# Altium PCB FPGA_SHIELD_MARK1_RA1_2.PcbDoc (part 1 of 4) (continued)
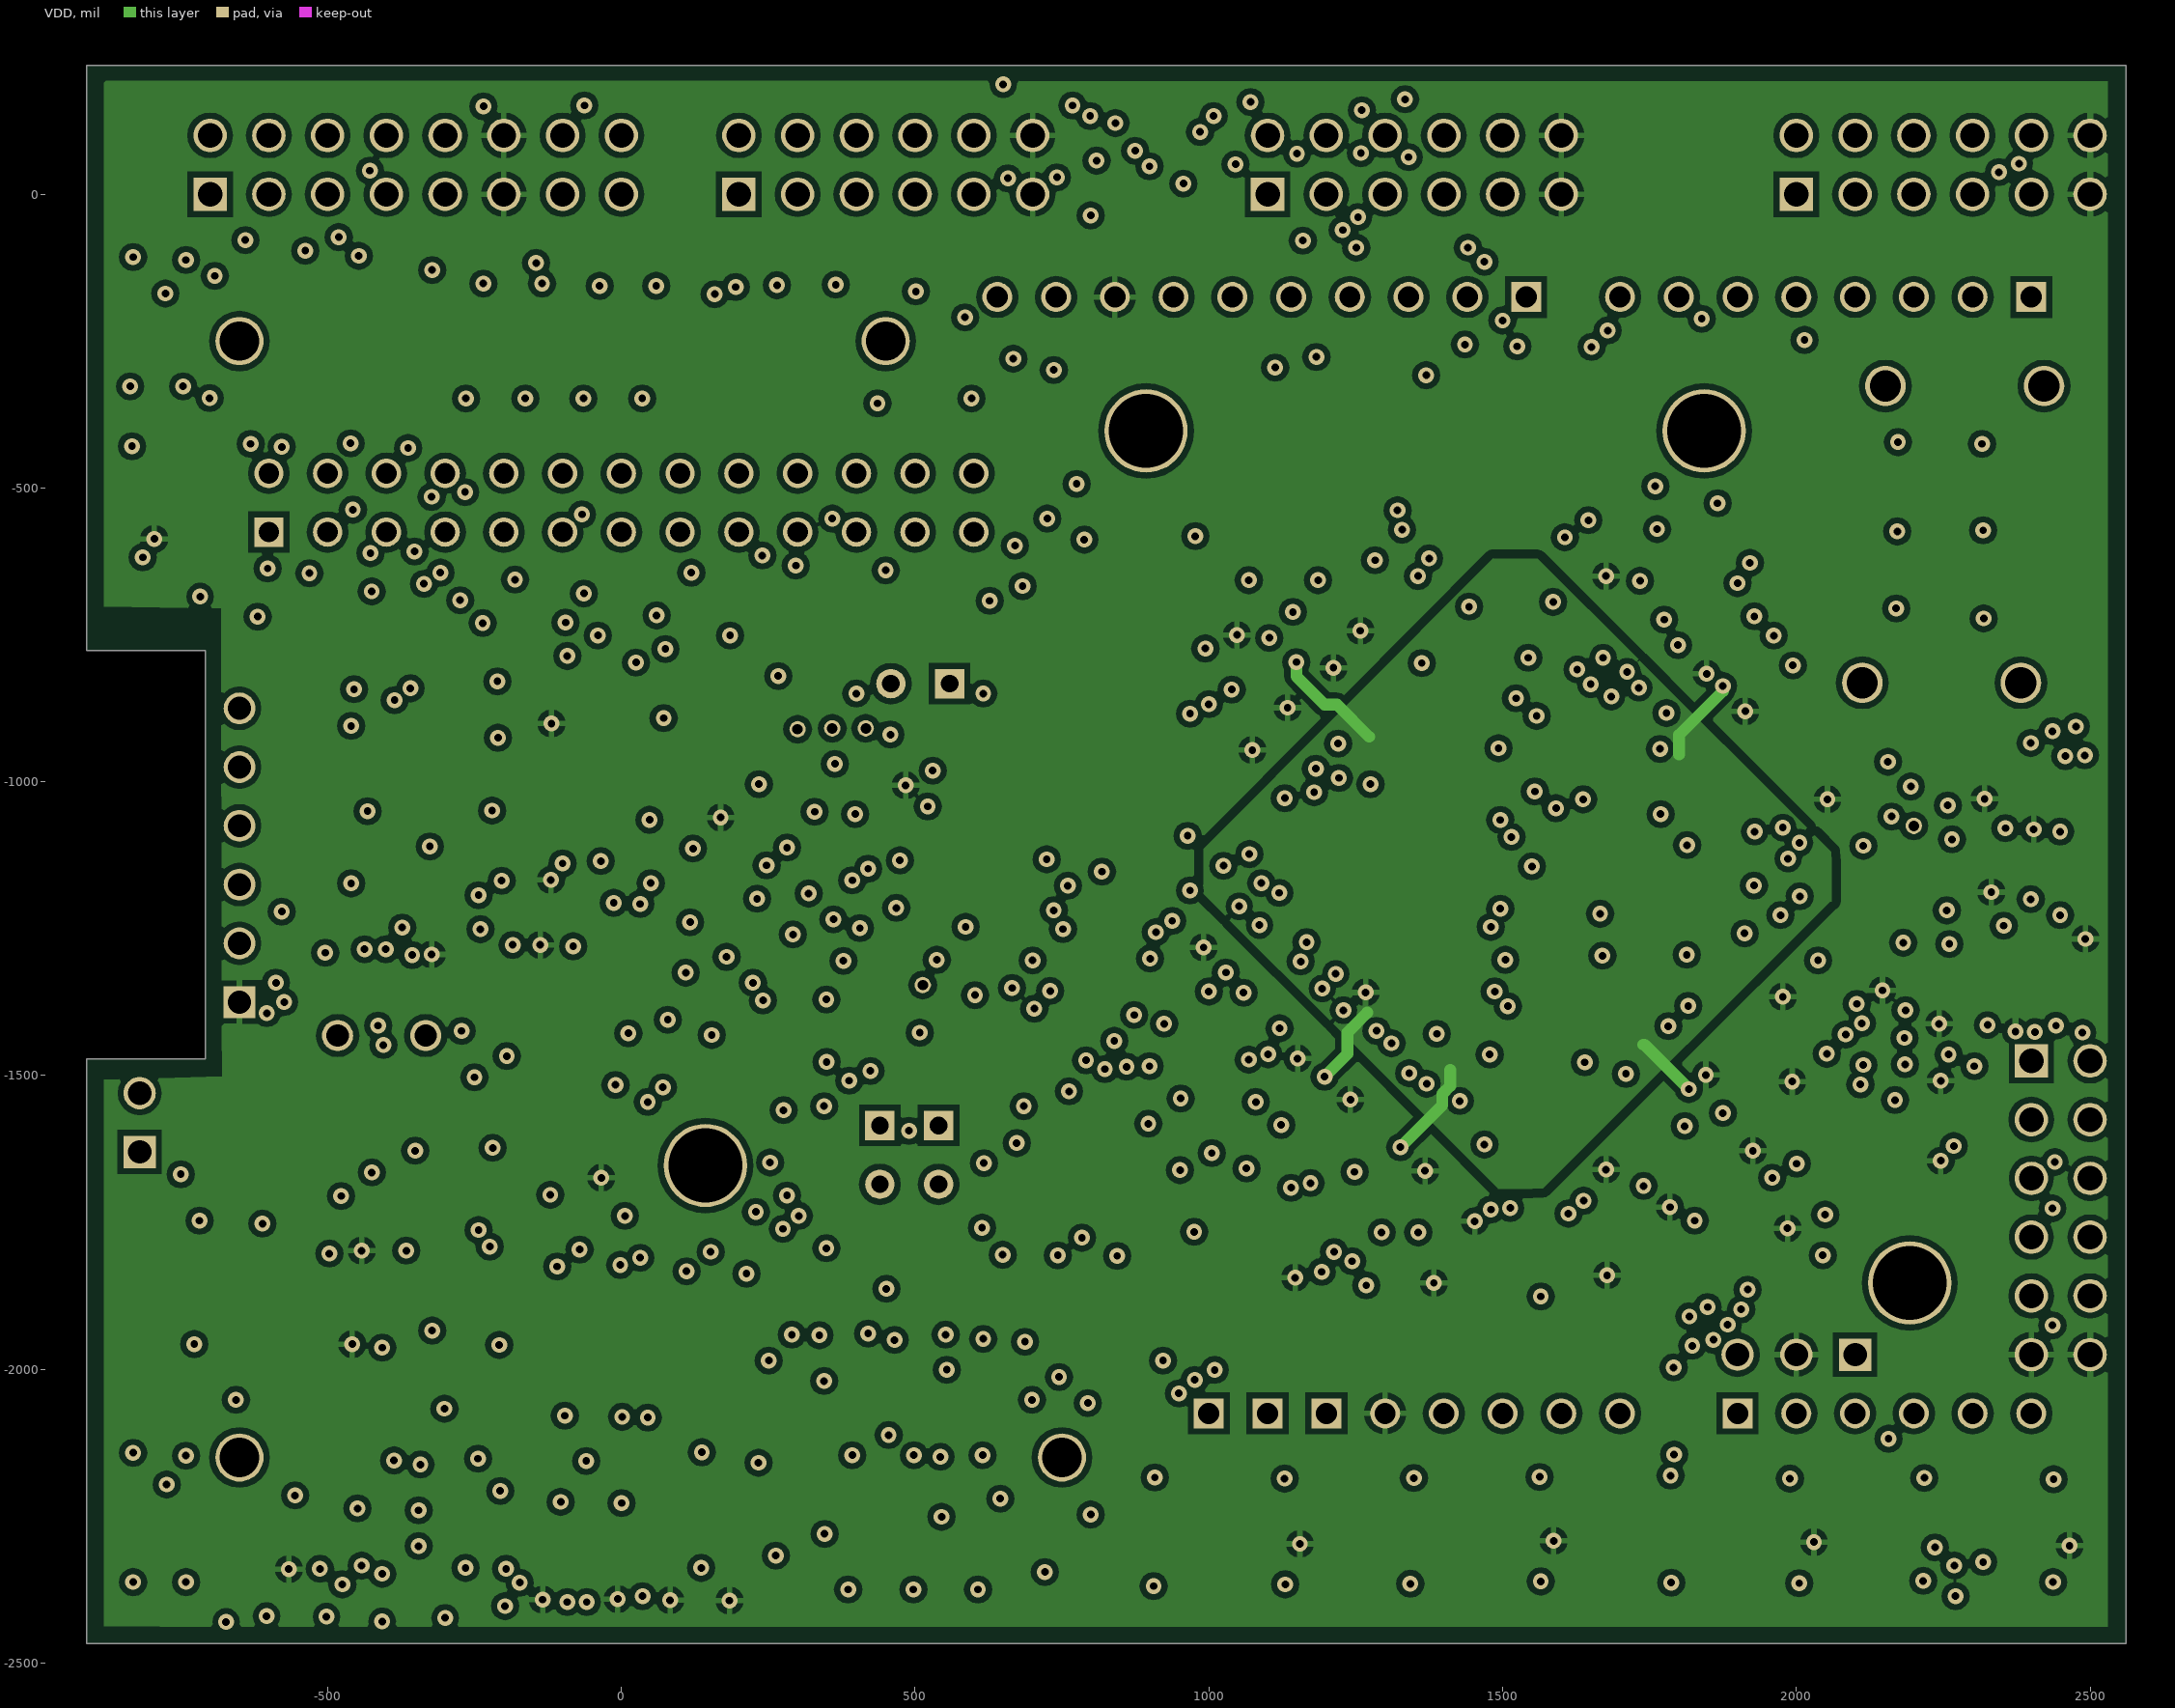
[diagram p3: VDD]
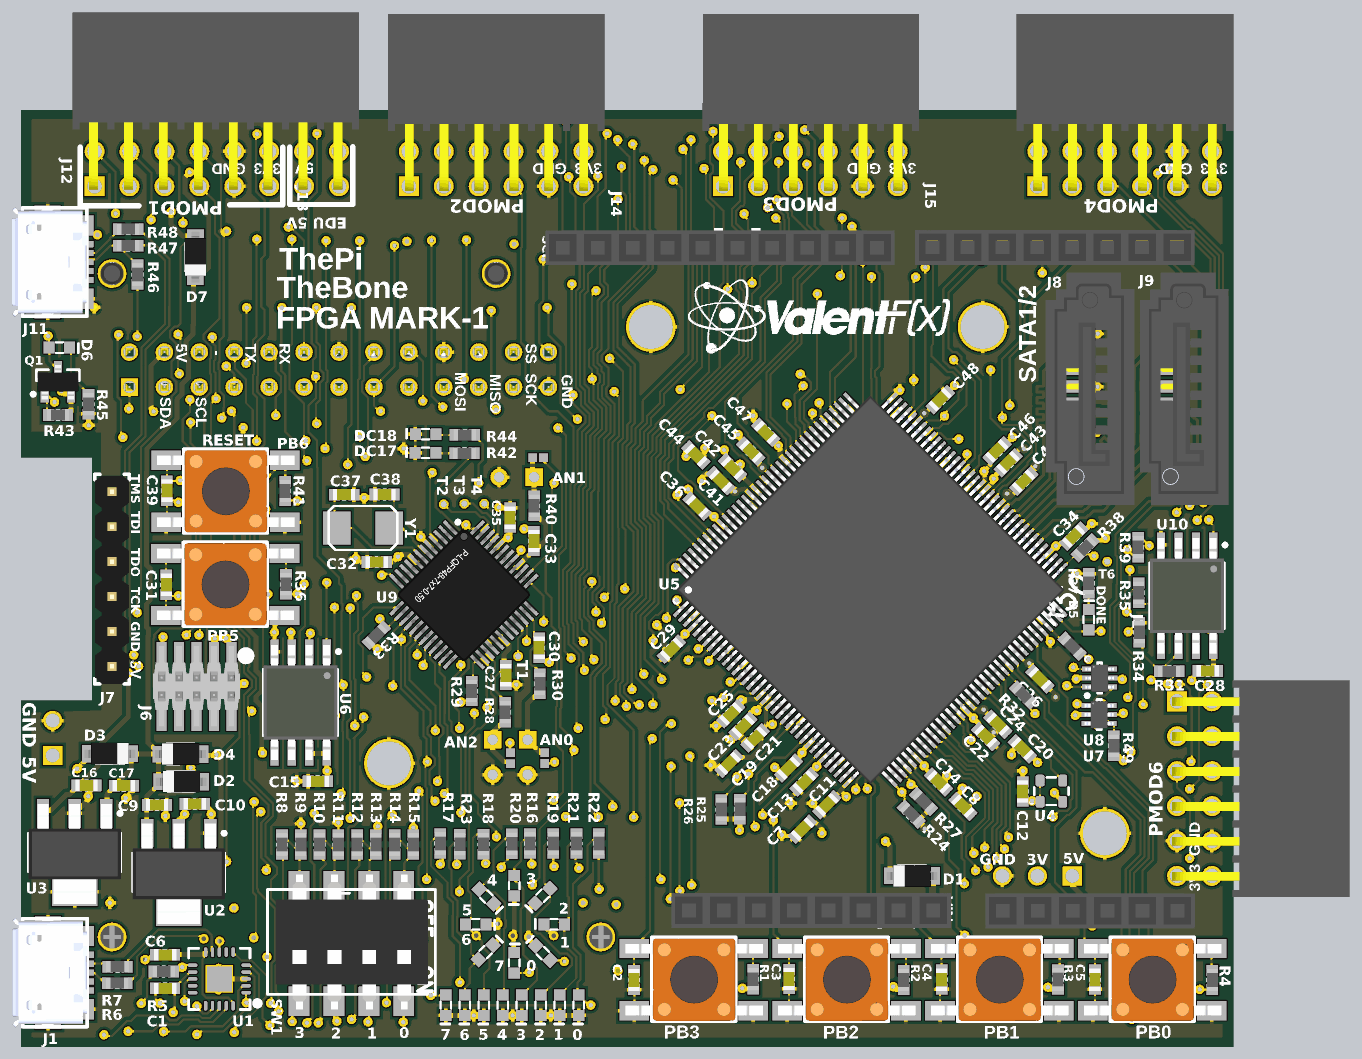
[diagram p7: 3D render of the assembled board from above, using the file's embedded part models]

## Layer stack, top to bottom
Top Layer: signal copper 1.4
Dielectric: core 12.6, FR-4, Dk 4.8
GND: signal copper 1.4
Dielectric: prepreg 12.6, FR-4, Dk 4.8
VDD: signal copper 1.4
Dielectric: core 12.6, FR-4, Dk 4.8
Bottom Layer: signal copper 1.4

## Board outline
-910,-2467 -910,-1472 -708,-1472 -708,-777 -910,-777 -910,219 2561,219 2561,-2467

## Design rules (kind name [scope] priority, off if disabled: settings)
Clearance POLY_TO_POLY [inpoly vs inpoly] p1: gap=15
Clearance Poly_TO_ALL [InPoly] p2: gap=10
Clearance [All] p3: gap=6
ComponentClearance LEDS+Mounts [(HasFootprint('LTM-450')) vs (HasFootprint('LED T1-3/4 GREEN - 0.45" STANDOFF') OR HasFootprint('LED T1-3/4 RED -  0.45" STANDOFF'))] p1: gap=0 collisioncheckmode=3 verticalgap=0 showdistances=FALSE
ComponentClearance ComponentClearance_1 [OnLayer('Mechanical 1')] p2: gap=0 collisioncheckmode=3 verticalgap=0 showdistances=FALSE
ComponentClearance [All] p3: gap=10 collisioncheckmode=3 verticalgap=10 showdistances=FALSE
DiffPairsRouting DiffPairsRouting_1 [inDifferentialPair(HDMI_D1) or inDifferentialPair(HDMI_D2) or inDifferentialPair(HDMI_D3) or inDifferentialPair(HDMI_D4)] p1: maxlimit=10 minlimit=10 mostfreqgap=10 maxuncoupledlength=500
DiffPairsRouting [All] p2: maxlimit=10 minlimit=10 mostfreqgap=10 maxuncoupledlength=500
Height [All] p1: minheight=0 maxheight=1500 prefheight=500
HoleSize [All] p1: absolutevalues=TRUE maxlimit=250 minlimit=1 maxpercent=80.000 minpercent=20.000
HoleToHoleClearance [All] p1: gap=2 allowstackedmicrovias=TRUE
MinimumSolderMaskSliver [All] p1: minsoldermaskwidth=0
PlaneClearance [All] p1: clearance=10
PlaneConnect [All] p1: planeconnectstyle=Direct reliefexpansion=20 reliefentries=4 reliefconductorwidth=10 reliefairgap=10
PolygonConnect [All] p1: connectstyle=Relief reliefconductorwidth=10 reliefentries=4 polygonreliefangle="90 Angle" airgapwidth=10
RoutingVias [All] p1: holewidth=13 width=27 viastyle="Through Hole" minholewidth=13 minwidth=27 maxholewidth=25 maxwidth=40
SilkToSilkClearance [All] p1: silktosilkclearance=0
SilkscreenOverComponentPads [All] p1: minsilkscreentomaskgap=0
SolderMaskExpansion vias [isvia and not(locked)] p1: expansion=-100
SolderMaskExpansion [All] p2: expansion=4
Width diff1 [inDifferentialPair(HDMI_D1) or inDifferentialPair(HDMI_D2) or inDifferentialPair(HDMI_D3) or inDifferentialPair(HDMI_D4)] p1: maxlimit=8 minlimit=8 preferedwidth=8
Width [All] p2: maxlimit=20 minlimit=6 preferedwidth=14
18 further rules are at their usual default settings.

## Classes and differential pairs
net class FPGA_CFG: FPGA_MODE1 FPGA_SUSPEND LPC_FPGA_SLAVE_CFG_CCLK LPC_FPGA_SLAVE_CFG_DIN SLAVE_CFG_DONE SLAVE_CFG_INIT_B SLAVE_CFG_PROG_B
net class USB: USB_DM USB_DP
net class JTAG: TCK TDI TDO TMS
net class HDMI: HDMI_D1_N HDMI_D1_P HDMI_D2_N HDMI_D2_P HDMI_D3_N HDMI_D3_P HDMI_D4_N HDMI_D4_P
differential pair HDMI_D4: +HDMI_D4_P -HDMI_D4_N
differential pair HDMI_D1: +HDMI_D1_P -HDMI_D1_N
differential pair HDMI_D2: +HDMI_D2_P -HDMI_D2_N
differential pair HDMI_D3: +HDMI_D3_P -HDMI_D3_N

## Components (designator, comment, footprint, x,y, rotation, side; value= is the part's Value field where it differs from the comment)
C1 "0.1uF" C0603 -498,-2297.06 r0 top
C2 ".1uF/DNP" C0603 845,-2273 r270 top
C3 ".1uF/DNP" C0603 1289,-2270 r270 top
C4 ".1uF/DNP" C0603 1726,-2272 r270 top
C5 ".1uF/DNP" C0603 2165,-2272 r270 top
C6 "0.1uF" C0603 -498,-2200.5 r0 top
C7 "4.7uF" C0603 1327,-1841 r45 top
C8 "4.7uF" C0603 1787,-1776 r135 top
C9 "0.1uF" C0603 -521,-1772 r180 top
C10 "4.7uF" C0603 -413,-1769 r180 top
C11 "4.7uF" C0603 1397,-1771 r45 top
C12 "0.1uF" C0603 1958,-1733 r270 top
C13 "0.47uF" C0603 1332,-1706 r45 top
C14 "0.47uF" C0603 1717,-1706 r135 top
C15 "0.1uF" C0603 -61,-1704 r0 top
C16 "4.7uF" C0603 -723,-1716 r180 top
C17 "0.1uF" C0603 -616,-1717 r180 top
C18 "4.7uF" C0603 1287,-1666 r45 top
C19 "4.7uF" C0603 1117,-1653 r45 top
C20 "4.7uF" C0603 1957,-1611 r135 top
C21 "4.7uF" C0603 1192,-1580 r45 top
C22 "4.7uF" C0603 1852,-1576 r135 top
C23 "0.47uF" C0603 1157,-1546 r45 top
C24 "4.7uF" C0603 1887,-1541 r135 top
C25 "0.47uF" C0603 1122,-1511 r45 top
C26 "0.47uF" C0603 2007,-1411 r135 top
C27 "0.1uF" C0603 478,-1400 r270 top
C28 "0.1uF" C0603 2488,-1388 r180 top
C29 "4.7uF" C0603 952,-1326 r45 top
C30 "0.1uF" C0603 573.67,-1321.5 r270 top
C31 ".1uF/DNP" C0603 -495,-1141.5 r90 top
C32 "0.1uF" C0603 108,-1076 r0 top
C33 "0.1uF" C0603 558,-1016 r90 top
C34 "0.47uF" C0603 2105,-1002 r225 top
C35 "0.1uF" C0603 490,-948.69 r270 top
C36 "4.7uF" C0603 1026,-915.86 r315 top
C37 "18pF" C0603 15,-883 r180 top
C38 "18pF" C0603 130,-882.5 r0 top
C39 ".1uF/DNP" C0603 -493,-872 r90 top
C40 "0.47uF" C0603 1961.53,-844.42 r225 top
C41 "0.47uF" C0603 1093,-843 r315 top
C42 "0.47uF" C0603 1127,-806 r315 top
C43 "4.7uF" C0603 1916.53,-791.42 r225 top
C44 "4.7uF" C0603 1022.23,-769.38 r315 top
C45 "0.47uF" C0603 1179,-758 r315 top
C46 "0.47uF" C0603 1884.53,-757.42 r225 top
C47 "0.47uF" C0603 1222,-704.68 r315 top
C48 "4.7uF" C0603 1722,-611 r225 top
D1 "RB161M-20TR" SOD-123 1641,-1975 r90 top
D2 "RB161M-20TR" SOD-123 -452,-1705 r90 top
D3 "RB161M-20TR" SOD-123 -656,-1625 r270 top
D4 "RB161M-20TR" SOD-123 -454,-1626 r90 top
D5 "Value" "LED_0603 - GREEN" 2147,-1241 r90 top
D6 "Value" "LED_0603 - GREEN" -800.62,-462 r0 top
D7 "RB161M-20TR" SOD-123 -411,-203 r180 top
DC1 "Value" "LED_0603 - GREEN" 306.17,-2345.17 r270 top
DC2 "Value" "LED_0603 - GREEN" 360.45,-2345.17 r270 top
DC3 "Value" "LED_0603 - GREEN" 414.74,-2345.17 r270 top
DC4 "Value" "LED_0603 - GREEN" 469.03,-2345.17 r270 top
DC5 "Value" "LED_0603 - GREEN" 523.31,-2345.17 r270 top
DC6 "Value" "LED_0603 - GREEN" 577.6,-2345.17 r270 top
DC7 "Value" "LED_0603 - GREEN" 631.88,-2345.17 r270 top
DC8 "Value" "LED_0603 - GREEN" 686.17,-2345.17 r270 top
DC9 "Value" "LED_0603 - GREEN" 502,-2224 r90 top
DC10 "Value" "LED_0603 - GREEN" 583.98,-2196 r135 top
DC11 "Value" "LED_0603 - GREEN" 420,-2193.33 r45 top
DC12 "Value" "LED_0603 - GREEN" 392,-2114 r0 top
DC13 "Value" "LED_0603 - GREEN" 616,-2114 r180 top
DC14 "Value" "LED_0603 - GREEN" 422,-2034 r315 top
DC15 "Value" "LED_0603 - GREEN" 583,-2032 r225 top
DC16 "Value" "LED_0603 - GREEN" 502,-2003 r270 top
DC17 "Value" "LED_0603 - GREEN" 247.59,-763.53 r180 top
DC18 "Value" "LED_0603 - GREEN" 247.97,-709.8 r180 top
FPB1 "Value" FSM4JSMA 2329,-2272 r90 top
FPB2 "Value" FSM4JSMA 1891.33,-2272 r90 top
FPB3 "Value" FSM4JSMA 1453.67,-2272 r90 top
FPB4 "Value" FSM4JSMA 1016,-2272 r90 top
J1 "47346-0001" "USB - 47346-0001" -781,-2252 r270 top
J2 "SSQ-106-02-G-D-RA-005" "PMOD HEADER - SSQ-106-02-G-D-RA" 2400,-1475 r270 top locked
J3 "Solder Jumper" "SOLDER_JUMPER SMALL 2" 491,-1638 r180 top
J4 "Solder Jumper" "SOLDER_JUMPER SMALL 2" 589,-1637.68 r0 top
J5 "VIN" "HEADER_2_40_100 THRU SIP" -820,-1630 r90 top
J6 "01R3656" FTSH-105-04-F-DV -308,-1352 r180 top
J7 "Value" "JTAG - Digilent HS1" -650,-1125 r90 top
J8 "678005005" "SATA - 67800-5005" 2130,-579 r90 top locked
J9 "678005005" "SATA - 67800-5005" 2400,-579 r90 top locked
J10 "Solder Jumper" "SOLDER_JUMPER SMALL 2" 570,-777.76 r90 top
J11 "47346-0001" "USB - 47346-0001" -782,-217 r270 top
J12 "SSQ-108-02-G-D-RA-005" "PMOD HEADER8 - SSQ-108-02-G-D-RA" -350,50 r0 top
J13 "SSQ-106-02-G-D-RA-005" "PMOD HEADER - SSQ-106-02-G-D-RA" 200,0 r0 top locked
J14 "SSQ-106-02-G-D-RA-005" "PMOD HEADER - SSQ-106-02-G-D-RA" 1100,0 r0 top
J15 "SSQ-106-02-G-D-RA-005" "PMOD HEADER - SSQ-106-02-G-D-RA" 2000,0 r0 top
J16 "Solder Jumper" SOLDER_JUMPER 1769,-1294.39 r180 bottom
J17 "Solder Jumper" SOLDER_JUMPER 1766,-1224.74 r180 bottom
Logo1 "Valent Logo 1000" ValentFX_1000 1800,-1075 r180 bottom
Logo2 "Valent Logo 750" ValentFX_750 1000,-475 r0 top
P1 "Arduino Uno Header" "ARDUINO SHIELD - SMALLER THRU" 1000,-2075 r90 top locked
P2 "Header3" "HEADER_3_40_100 THRU SIP" 2100,-1975 r180 top
P3 "ANALOG1" "HEADER_2_30_100 THRU SIP" 440,-1585 r270 top
P4 "ANALOG3" "HEADER_2_30_100 THRU SIP" 540,-1585 r270 top
P5 "ANALOG2" "HEADER_2_30_100 THRU SIP" 558.79,-833 r180 top
P6 "Raspberry Pi - 26" "RASPBERR PI - 26" 0,-525 r0 top locked
P7 "Header6" "HEADER_6_30_100 SMT SIP"#1 -232,-2408 r180 bottom
P9 "Header6" "HEADER_6_30_100 SMT SIP"#2 2518,-1401 r90 bottom
P28 "Beagle_Bone_P9" "TSM-116-01-F-DV_TH - SHRUNK" 50,-2150 r0 bottom
P29 "Beagle_Bone_P8_GPMC" "TSM-113-01-F-DV_TH - SHRUNK" -100,-250 r0 bottom locked
PB5 "Value" FSM4JSMA -326,-1140.42 r90 top
PB6 "Value" FSM4JSMA -325,-873.42 r90 top
Q1 "NDS352AP" SOT-23 -805,-560 r90 top
R1 "4.7k" R0603 1186,-2271 r90 top
R2 "4.7k" R0603 1617,-2273 r90 top
R3 "4.7k" R0603 2059,-2272 r90 top
R4 "4.7k" R0603 2501,-2273 r90 top
R5 "10k" R0603 -502,-2248.78 r0 top
R6 "33" R0603 -635,-2282 r180 top
R7 "33" R0603 -634,-2235 r180 top
R8 "4.7k" R0603 -163,-1885 r90 top
R9 "4.7k" R0603 -109.29,-1885 r90 top
R10 "4.7k" R0603 -55.57,-1885 r90 top
R11 "4.7k" R0603 -1.86,-1885 r90 top
R12 "4.7k" R0603 51.86,-1885 r90 top
R13 "4.7k" R0603 105.57,-1885 r90 top
R14 "4.7k" R0603 159.29,-1885 r90 top
R15 "4.7k" R0603 213,-1885 r90 top
R16 "200" R0603 547,-1882.5 r270 top
R17 "200" R0603 290.18,-1882 r270 top
R18 "200" R0603 414,-1884 r270 top
R19 "200" R0603 613.62,-1882.11 r270 top
R20 "200" R0603 495,-1883 r270 top
R21 "200" R0603 680,-1882 r270 top
R22 "200" R0603 744,-1882 r270 top
R23 "200" R0603 346,-1884 r270 top
R24 "10k" R0603 1639,-1798 r315 top
R25 "10k" R0603 1095,-1785 r270 top
R26 "10k" R0603 1148,-1784 r270 top
R27 "10k" R0603 1674.06,-1761.52 r315 top
R28 "10k" R0603 475.81,-1506 r270 top
R29 "10k" R0603 380,-1445.68 r270 top
R30 "10k" R0603 575,-1424.65 r270 top
R31 "100" R0603 2378,-1389 r180 top
R32 "10k" R0603 1960.51,-1457 r135 top
R33 "10k" R0603 107,-1285.69 r45 top
R34 "100" R0603 2292,-1277 r90 top
R35 "10k" R0603 2290,-1164 r270 top
R36 "10k" R0603 -152,-1140 r90 top
R37 "200" R0603 2147,-1136.67 r90 top
R38 "10k" R0603 2137,-1035 r225 top
R39 "10k" R0603 2289,-1034 r90 top
R40 "10k" R0603 559,-915 r90 top
R41 "10k" R0603 -154,-872.44 r90 top
R42 "200" R0603 359.46,-764.53 r180 top
R43 "10k" R0603 -804.55,-655 r0 top
R44 "200" R0603 360.47,-712 r180 top
R45 "200" R0603 -717.55,-624 r90 top
R46 "1.5k" R0603 -577,-253 r90 top
R47 "33" R0603 -603.57,-170 r0 top
R48 "33" R0603 -603.57,-123 r0 top
R49 "10k" R0603 2218.91,-1602 r90 top
R50 "10k" R0603 2099.58,-1317 r135 top
SW1 "219-4LPST" ADE04S04 35.5,-2169 r180 top
T1 "Test Point" "tp 18-28" 513,-1346 r0 top
T2 "Test Point" "tp 18-28" 300,-910.58 r0 top
T3 "Test Point" "tp 18-28" 359,-909 r0 top
T4 "Test Point" "tp 18-28" 416,-909 r0 top
T6 "Test Point" "tp 18-28" 2200,-1075 r0 top
U1 "FT231XQ-R" QFN-20_L -342.56,-2270 r180 top
U2 "LD1117S33CTR" SOT223 -459,-1965 r270 top
U3 "MCP1826S-1202E/DB" SOT223 -757,-1908 r270 top
U4 "ASDMB-50.000MHZ-LC-T" "ASDMB - osc" 2007.79,-1763 r0 top
U5 "XC6SLX9-3TQG144C" TQ144_L 1522,-1156 r45 top locked
U6 "M25PE16" SOIC127P830X200-8L -110,-1478.42 r270 top
U7 "MUX2" SC70-6 2177,-1513 r0 top
U8 "MUX2" SC70-6 2178.52,-1408 r0 top
U9 "LPC1343FBD48,151" TSQFP50P900X900X145-48L 357.9,-1169.84 r315 top locked
U10 "M25PE16" SOIC127P830X200-8L 2429,-1173 r270 top
Y1 "12MHz" ABM3 -10,-978.69 r0 top

## Footprints (in the part's own frame and the unit in brackets; to place one, negate y for a bottom-side part, rotate by r counter-clockwise, add the part's x,y. Pads: shape width x height; smd on the part's side, far side on the other; paste and mask are expansions set on the pad)
ABM3 [mm] "Abracon Crystal 5x3.2mm"
  rect 2x2.4 smd: 1(0.1,0) 2(3.9,0)
  silkscreen extent -0.5,-1.6 4.5,1.6, body extent -0.5,-1.6 4.5,1.6, height 1.3
ADE04S04 [mil] "SWITCH DIP SPST EXT ACT 8POS SMD"
  rect 60x85 smd: A1(-150,-165) A2(-50,-165) A3(50,-165) A4(150,-165) B1(-150,165) B2(-50,165) B3(50,165) B4(150,165)
  silkscreen extent -240,-155 240,145, body extent -220,-198 217,188, height 173
"ARDUINO SHIELD - SMALLER THRU" [mil] "Allows more traces inbetween pads"
  rect 51x51 hole 36: A0(0,-100) A1(0,-200) A-1(0,0) B1(0,-900) C1(1900,-1400) D1(1900,-540)
  round 51 hole 36: A2(0,-300) A3(0,-400) A4(0,-500) A5(0,-600) A6(0,-700) B2(0,-1000) B3(0,-1100) B4(0,-1200) B5(0,-1300) B6(0,-1400) C2(1900,-1300) C3(1900,-1200) C4(1900,-1100) C5(1900,-1000) C6(1900,-900) C7(1900,-800) C8(1900,-700) D2(1900,-440) D3(1900,-340) D4(1900,-240) D5(1900,-140) D6(1900,-40) D7(1900,60) D8(1900,160) D9(1900,260) D10(1900,360)
  body extent -50,-1451 1950,409, height 327
"ASDMB - osc" [mm] "oscillator ASDMB - osc footprint"
  rrect50% 0.65x0.85 smd: 1(0,0) 2(1.65,0) 3(1.65,1.55) 4(0,1.55)
  silkscreen extent -0.65,-0.23 2.07,1.78, body extent -0.43,-0.23 2.07,1.76, height 0.76
C0603 [mm] "0603 Generic"
  rect 0.8x0.85 smd: 1(-0.7,0) 2(0.7,0)
  silkscreen extent -0.1,-0.32 0.1,0.32, body extent -0.8,-0.42 0.82,0.4, height 0.46
FSM4JSMA [mil] "SWITCH TACTILE SPST-NO 0.05A 12V"
  rect 55x85 smd: A(-89,170) A(-89,-170) B(89,170) B(89,-170)
  silkscreen extent -119,-120 121,120, body extent -118,-198 118,196, height 200
FTSH-105-04-F-DV [mil] "Connector for Cortex Serial Wire Debug"
  rect 29x95 smd: 1(0,0) 2(0,160) 3(50,0) 4(50,160) 5(100,0) 6(100,160) 7(150,0) 8(150,160) 9(200,0) 10(200,160)
  round 53 hole 38 unplated: M(25,80) M(175,80)
  body extent -25,-35 225,195, height 264
"HEADER_2_30_100 THRU SIP" [mil] "18 mil thru hole header 50 mil pitch"
  rect 50x50 hole 30: 1(0,0)
  round 50 hole 30: 2(100,0)
"HEADER_2_40_100 THRU SIP" [mil]
  rect 55x55 hole 40: 1(0,0)
  round 55 hole 40: 2(100,0)
"HEADER_3_40_100 THRU SIP" [mil]
  rect 55x55 hole 40: 1(0,0)
  round 55 hole 40: 2(100,0) 3(200,0)
"HEADER_6_30_100 SMT SIP"#1 [mil]
  rect 50x50 smd: 1(0,0)
  round 50 smd: 2(100,0) 3(200,0) 4(300,0) 5(400,0) 6(500,0)
"HEADER_6_30_100 SMT SIP"#2 [mil]
  rect 40x40 smd: 1(0,0)
  round 40 smd: 2(100,0) 3(200,0) 4(300,0) 5(400,0) 6(500,0)
"JTAG - Digilent HS1" [mil]
  rect 54x54 hole 39: 1(-250,0)
  round 54 hole 39: 2(-150,0) 3(-50,0) 4(50,0) 5(150,0) 6(250,0)
  silkscreen extent -300,-50 300,50, body extent -300,-49 296,49, height 323
"LED_0603 - GREEN" [mm] "LED_0603 - GREEN"
  rect 0.8x0.85 smd: A(-0.75,0) C(0.75,0)
  silkscreen extent -0.25,-0.38 1.37,0.38, body extent -0.8,-0.4 0.8,0.4, height 0.75
"PMOD HEADER8 - SSQ-108-02-G-D-RA" [mil]
  rect 57x57 hole 42: 1(-350,-50)
  round 57 hole 42: 2(-250,-50) 3(-150,-50) 4(-50,-50) 5(50,-50) 6(150,-50) 7(-350,50) 8(-250,50) 9(-150,50) 10(-50,50) 11(50,50) 12(150,50) 13(250,-50) 14(350,-50) 15(250,50) 16(350,50)
  body extent -413,-60 407,448, height 200
"PMOD HEADER - SSQ-106-02-G-D-RA" [mil]
  rect 57x57 hole 42: 1(0,0)
  round 57 hole 42: 2(100,0) 3(200,0) 4(300,0) 5(400,0) 6(500,0) 7(0,100) 8(100,100) 9(200,100) 10(300,100) 11(400,100) 12(500,100)
  body extent -59,-14 561,494, height 200
QFN-20_L [mm] "QFN, 20-Leads, Body 4x4mm, Pitch 0.5mm, Thermal Pad 2x2mm, IPC High Density"
  oval 0.7x0.25 smd: 1(-1.95,1) 2(-1.95,0.5) 3(-1.95,0) 4(-1.95,-0.5) 5(-1.95,-1) 11(1.95,-1) 12(1.95,-0.5) 13(1.95,0) 14(1.95,0.5) 15(1.95,1)
  oval 0.25x0.7 smd: 6(-1,-1.95) 7(-0.5,-1.95) 8(0,-1.95) 9(0.5,-1.95) 10(1,-1.95) 16(1,1.95) 17(0.5,1.95) 18(0,1.95) 19(-0.5,1.95) 20(-1,1.95)
  rect 2x2 smd paste-1: 21(0,0)
  silkscreen extent -2.89,-2.22 2.23,2.22, body extent -2.07,-2.07 2.08,2.08, height 0.8
R0603 [mm] "0603 Generic"
  rect 0.8x0.85 smd: 1(-0.7,0) 2(0.7,0)
  silkscreen extent -0.1,-0.33 0.1,0.33, body extent -0.81,-0.41 0.81,0.41, height 0.46
"RASPBERR PI - 26" [mil] "HEADER 100 MIL PITCH"
  rect 50x50 hole 35: 1(-600,-50)
  round 50 hole 35: 2(-600,50) 3(-500,-50) 4(-500,50) 5(-400,-50) 6(-400,50) 7(-300,-50) 8(-300,50) 9(-200,-50) 10(-200,50) 11(-100,-50) 12(-100,50) 13(0,-50) 14(0,50) 15(100,-50) 16(100,50) 17(200,-50) 18(200,50) 19(300,-50) 20(300,50) 21(400,-50) 22(400,50) 23(500,-50) 24(500,50) 25(600,-50) 26(600,50)
  body extent -650,-100 650,100, height 206
"SATA - 67800-5005" [mm]
  rect 0.9x2.4 smd: 1(3.955,0.55) 2(2.685,0.55) 3(1.415,0.55) 4(0.145,0.55) 5(-1.125,0.55) 6(-2.395,0.55) 7(-3.665,0.55)
  round 1.75 hole 1.35: x(-6.415,0.45) x(6.415,-0.55)
  body extent -8.48,-3.75 8.42,2.7, height 8.4
SC70-6 [mm] "SC70-6"
  rect 0.65x0.35 smd: 1(-0.95,0.65) 2(-0.95,0) 3(-0.95,-0.65) 4(0.95,-0.65) 5(0.975,0) 6(0.95,0.65)
  silkscreen extent -1,-1.1 0.15,1.5, body extent -1.05,-1.1 1.05,1.1, height 1.1
SOD-123 [mm] "SOD-123"
  rect 1.2x0.85 smd: 1(0,1.6)
  rect 1.27x0.85 smd: 2(0,-1.6)
  silkscreen extent -0.69,-1 0.71,1, body extent -0.8,-1.85 0.8,1.85, height 1.28
SOIC127P830X200-8L [mm] "SOIC, 8-Leads, Body 6.1x6.2mm (max), Pitch 1.27mm, IPC High Density"
  rect 1.8x0.6 smd: 1(-3.7,1.905) 2(-3.7,0.635) 3(-3.7,-0.635) 4(-3.7,-1.905) 5(3.7,-1.905) 6(3.7,-0.635) 7(3.7,0.635) 8(3.7,1.905)
  silkscreen extent -3.82,-2.72 2.4,2.88, body extent -4.2,-2.7 4.2,2.68, height 2.3